# Altium PCB AVALON_hashunit.PcbDoc (part 5 of 5)
Units mm, origin at the board's own origin, x right, y up, seen from the top; angles counter-clockwise.
Board outline 138.43 x 38.1 mm, 4 copper layers (Top Layer, Mid-Layer 1, Mid-Layer 2, Bottom Layer); 220 components, 79 nets, 967 pads, 761 vias.
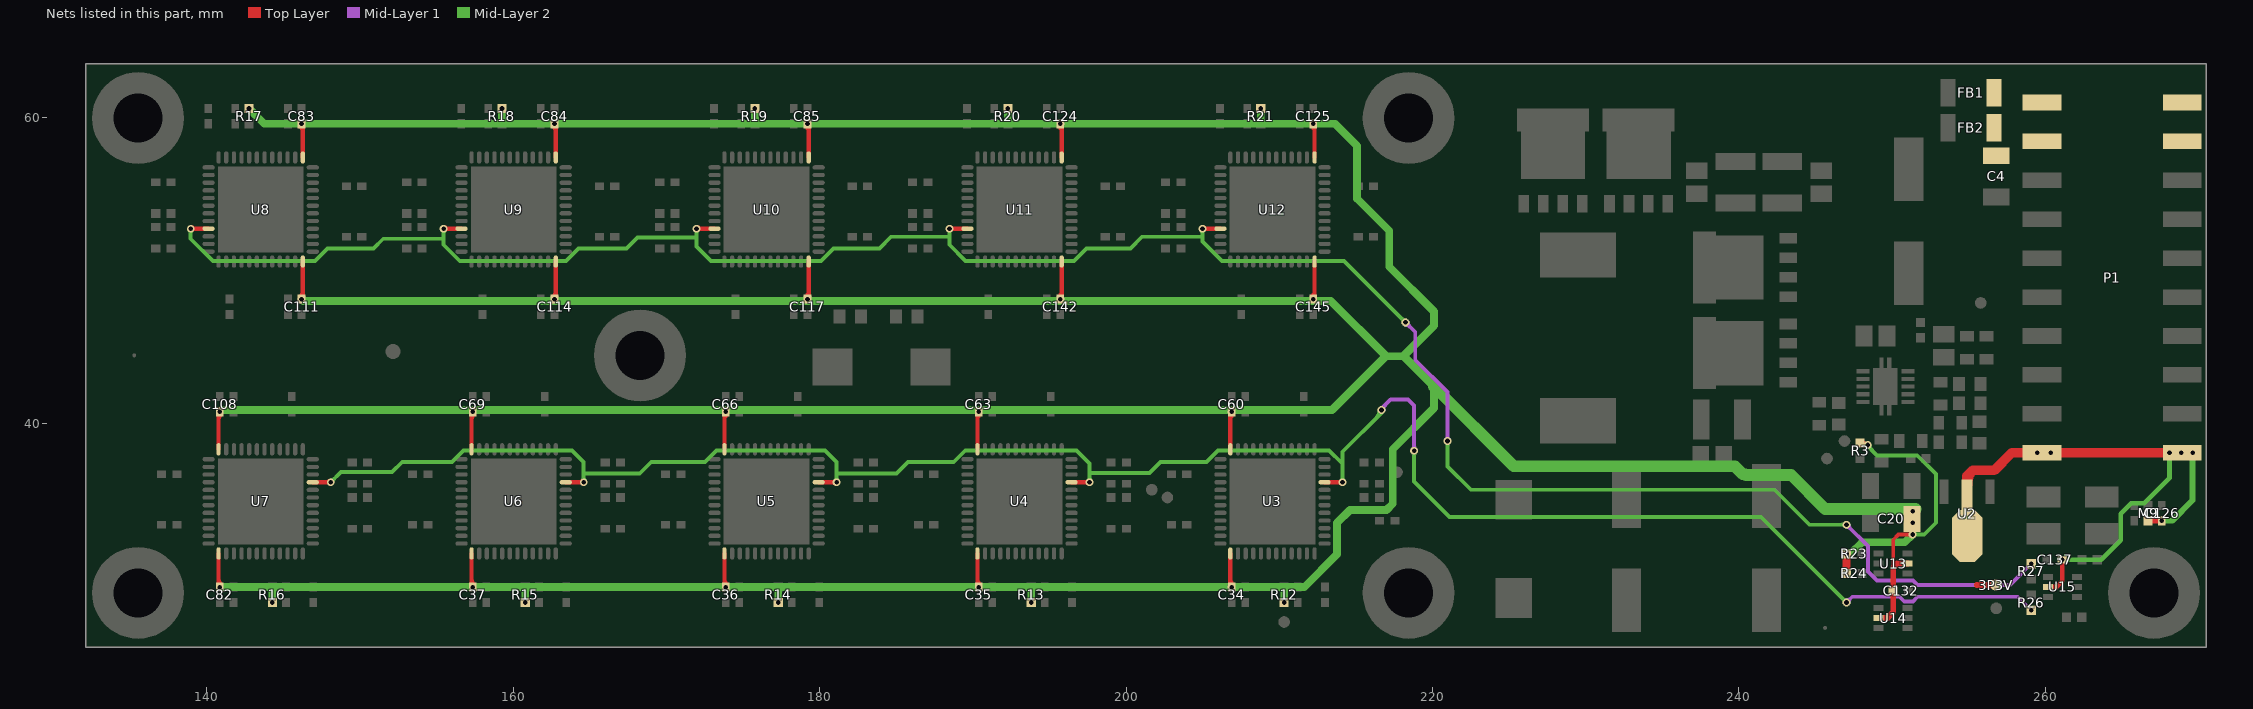
[diagram p7: the nets of this part, all layers, seen from the top]

## Via types
v1: diameter 0.8, hole 0.4, Top Layer to Bottom Layer, tented both sides, 330 vias
v2: diameter 0.508, hole 0.305, Top Layer to Bottom Layer, tented both sides, 258 vias
v3: diameter 0.813, hole 0.457, Top Layer to Bottom Layer, tented both sides, 88 vias
v4: diameter 0.508, hole 0.305, Top Layer to Bottom Layer, tented bottom, 80 vias
v5: diameter 0.6, hole 0.3, Top Layer to Bottom Layer, tented bottom, 5 vias

## Nets (pads, with @x,y where several pads share a name; then routed paths per layer and width w, separated by ;. In a path a pad name is that pad's centre, name@x,y a point inside that pad or via, vN(x,y) a via of type N, cw(c..) or ccw(c..) an arc to the next point about the centre after c; other vN are vias at no path point) (continued)
VCC3V3: 3P3V.1 C20.2 C34.2 C35.2 C36.2 C37.2 C60.2 C63.2 C66.2 C69.2 C82.2 C83.2 C84.2 C85.2 C108.2 C111.2 C114.2 C117.2 C124.2 C125.2 C126.2 C132.1 C137.1 C142.2 C145.2 M9.2 P1.1 P1.2 R3.2 R12.2 R13.2 R14.2 R15.2 R16.2 R17.2 R18.2 R19.2 R20.2 R21.2 R23.2 R24.2 U2.2 U3.24 U3.37 U4.24 U4.37 U5.24 U5.37 U6.24 U6.37 U7.24 U7.37 U8.24 U8.37 U9.24 U9.37 U10.24 U10.37 U11.24 U11.37 U12.24 U12.37 U13.5 U14.5 U15.5 | length 516.6
  Top Layer w0.203: R3.2@248.065,38.611 cw(c248.293,38.445) v2@248.293,38.727 ; R3.2@248.065,38.843 ccw(c248.293,39.009) v2@248.293,38.727 ; v2@248.285,38.523 ccw(c247.904,38.268) R3.2@247.904,38.727 v2@248.293,38.727 ; v2(248.412,38.608) v2@248.293,38.727
  Top Layer w0.254: 250.071,30.615 250.071,32.418 250.419,32.766 v2(251.333,32.766) ; v2@251.243,32.676 ccw(c251.026,32.459) 251.026,32.766 ccw(c251.026,33.073) v2@251.243,32.856
  Top Layer w0.279: 140.76,29.805 ccw(c141.319,29.805) C82.2@140.924,29.41 ; 140.76,29.846 ccw(c141.31,29.846) C82.2@140.921,29.457 ; U7.37@140.76,31.4 140.76,29.412 v2(140.843,29.329) ; U7.24@140.76,38.45 C108.2@140.76,40.692 ; 140.76,40.258 cw(c141.31,40.258) C108.2@140.921,40.647 ; 140.76,40.299 cw(c141.319,40.299) C108.2@140.924,40.694 ; C82.2@140.773,29.42 ccw(c140.671,29.553) 140.817,29.638 ; C108.2@140.773,40.684 cw(c140.671,40.551) 140.817,40.466 ; C111.2@146.096,48.206 ccw(c145.701,48.601) 146.26,48.601 ; C83.2@146.096,59.49 cw(c145.701,59.095) 146.26,59.095 ; C111.2@146.099,48.253 ccw(c145.71,48.642) 146.26,48.642 ; C83.2@146.099,59.443 cw(c145.71,59.054) 146.26,59.054 ; v2(146.177,59.571) 146.26,59.488 U8.37@146.26,57.5 ; 146.203,48.434 ccw(c146.349,48.349) C111.2@146.247,48.216 ; 146.203,59.262 cw(c146.349,59.347) C83.2@146.247,59.48 ; C111.2@146.26,48.208 U8.24@146.26,50.45 ; 157.27,29.805 ccw(c157.829,29.805) C37.2@157.434,29.41 ; 157.27,29.846 ccw(c157.82,29.846) C37.2@157.431,29.457 ; U6.37@157.27,31.4 157.27,29.412 v2(157.353,29.329) ; U6.24@157.27,38.45 C69.2@157.27,40.692 ; 157.27,40.258 cw(c157.82,40.258) C69.2@157.431,40.647 ; 157.27,40.299 cw(c157.829,40.299) C69.2@157.434,40.694 ; C37.2@157.283,29.42 ccw(c157.181,29.553) 157.327,29.638 ; C69.2@157.283,40.684 cw(c157.181,40.551) 157.327,40.466 ; C114.2@162.606,48.206 ccw(c162.211,48.601) 162.77,48.601 ; C84.2@162.606,59.49 cw(c162.211,59.095) 162.77,59.095 ; C114.2@162.609,48.253 ccw(c162.22,48.642) 162.77,48.642 ; C84.2@162.609,59.443 cw(c162.22,59.054) 162.77,59.054 ; v2(162.687,59.571) 162.77,59.488 U9.37@162.77,57.5 ; 162.713,48.434 ccw(c162.859,48.349) C114.2@162.757,48.216 ; 162.713,59.262 cw(c162.859,59.347) C84.2@162.757,59.48 ; C114.2@162.77,48.208 U9.24@162.77,50.45 ; 173.78,29.805 ccw(c174.339,29.805) C36.2@173.944,29.41 ; 173.78,29.846 ccw(c174.33,29.846) C36.2@173.941,29.457 ; U5.37@173.78,31.4 173.78,29.412 v2(173.863,29.329) ; U5.24@173.78,38.45 C66.2@173.78,40.692 ; 173.78,40.258 cw(c174.33,40.258) C66.2@173.941,40.647 ; 173.78,40.299 cw(c174.339,40.299) C66.2@173.944,40.694 ; C36.2@173.793,29.42 ccw(c173.691,29.553) 173.837,29.638 ; C66.2@173.793,40.684 cw(c173.691,40.551) 173.837,40.466 ; C117.2@179.116,48.206 ccw(c178.721,48.601) 179.28,48.601 ; C85.2@179.116,59.49 cw(c178.721,59.095) 179.28,59.095 ; C117.2@179.119,48.253 ccw(c178.73,48.642) 179.28,48.642 ; C85.2@179.119,59.443 cw(c178.73,59.054) 179.28,59.054 ; v2(179.197,59.571) 179.28,59.488 U10.37@179.28,57.5 ; 179.223,48.434 ccw(c179.369,48.349) C117.2@179.267,48.216 ; 179.223,59.262 cw(c179.369,59.347) C85.2@179.267,59.48 ; C117.2@179.28,48.208 U10.24@179.28,50.45 ; 190.29,29.805 ccw(c190.849,29.805) C35.2@190.454,29.41 ; 190.29,29.85 ccw(c190.84,29.85) C35.2@190.451,29.461 ; U4.37@190.29,31.4 190.29,29.412 v2(190.373,29.329) ; U4.24@190.29,38.45 C63.2@190.29,40.692 ; 190.29,40.258 cw(c190.84,40.258) C63.2@190.451,40.647 ; 190.29,40.299 cw(c190.849,40.299) C63.2@190.454,40.694 ; C35.2@190.303,29.42 ccw(c190.199,29.555) 190.347,29.641 ; C63.2@190.303,40.684 cw(c190.201,40.551) 190.347,40.466 ; C142.2@195.626,48.206 ccw(c195.231,48.601) 195.79,48.601 ; C124.2@195.626,59.49 cw(c195.231,59.095) 195.79,59.095 ; C142.2@195.629,48.253 ccw(c195.24,48.642) 195.79,48.642 ; C124.2@195.629,59.443 cw(c195.24,59.054) 195.79,59.054 ; v2(195.707,59.571) 195.79,59.488 U11.37@195.79,57.5 ; 195.733,48.434 ccw(c195.879,48.349) C142.2@195.777,48.216 ; 195.733,59.262 cw(c195.879,59.347) C124.2@195.777,59.48 ; C142.2@195.79,48.208 U11.24@195.79,50.45 ; 206.8,29.805 ccw(c207.359,29.805) C34.2@206.964,29.41 ; 206.8,29.846 ccw(c207.35,29.846) C34.2@206.961,29.457 ; U3.37@206.8,31.4 206.8,29.412 v2(206.883,29.329) ; U3.24@206.8,38.45 C60.2@206.8,40.692 ; 206.8,40.258 cw(c207.35,40.258) C60.2@206.961,40.647 ; 206.8,40.299 cw(c207.359,40.299) C60.2@206.964,40.694 ; C34.2@206.813,29.42 ccw(c206.711,29.553) 206.857,29.638 ; C60.2@206.813,40.684 cw(c206.711,40.551) 206.857,40.466 ; C145.2@212.136,48.206 ccw(c211.741,48.601) 212.3,48.601 ; C125.2@212.136,59.49 cw(c211.741,59.095) 212.3,59.095 ; C145.2@212.139,48.253 ccw(c211.75,48.642) 212.3,48.642 ; C125.2@212.139,59.443 cw(c211.75,59.054) 212.3,59.054 ; v2(212.217,59.571) 212.3,59.488 U12.37@212.3,57.5 ; 212.243,48.434 ccw(c212.389,48.349) C145.2@212.287,48.216 ; 212.243,59.262 cw(c212.389,59.347) C125.2@212.287,59.48 ; C145.2@212.3,48.208 U12.24@212.3,50.45
  Top Layer w0.305: U15.5@260.162,29.337 260.731,29.337 261.104,29.71 v2(261.104,31.115)
  Top Layer w0.381: U14.5@249.113,27.305 249.682,27.305 250.071,27.694 C132.1@250.071,29.083 250.071,30.615 250.317,30.861 U13.5@251.013,30.861 ; 255.524,29.464 3P3V.1@256.794,29.464 ; 3P3V.1@256.659,29.329 ccw(c256.334,29.004) 256.334,29.464 ccw(c256.334,29.924) 3P3V.1@256.659,29.599 ; M9.2@266.7,33.663 v2(267.589,33.663)
  Top Layer w0.508: R24.2@247.023,30.226 v2(247.023,31.496)
  Top Layer w0.635: U2.2@254.889,35.355 254.889,36.576 255.27,36.957 ; U2.2@254.921,36.008 cw(c256.121,36.106) 255.27,36.957 ; v2(268.097,38.1) v2(260.35,38.1) v2(259.46,38.1) 257.81,38.1 256.667,36.957 255.27,36.957
  Mid-Layer 2 w0.254: v2(248.412,38.608) 248.412,38.527 249.017,37.922 251.638,37.922 252.857,36.703 252.857,33.528 252.095,32.766 v2(251.333,32.766) ; v2@248.539,38.608 ccw(c249.041,38.608) 248.686,38.253 ; v2@251.423,32.676 cw(c251.64,32.459) 251.64,32.766 cw(c251.64,33.073) v2@251.423,32.856
  Mid-Layer 2 w0.305: v2(261.104,31.115) 263.652,31.115 264.922,32.385 264.922,34.103 265.617,34.798 266.446,34.798 268.097,36.449 v2(268.097,38.1) v2(268.86,38.1)
  Mid-Layer 2 w0.381: v2(267.589,33.663) 268.276,33.663 269.608,34.996 269.608,38.087 v2(269.621,38.1) v2(268.86,38.1)
  Mid-Layer 2 w0.508: v2(140.843,29.329) 144.272,29.329 ; 141.124,40.891 ccw(c141.124,40.494) v2(140.843,40.775) 140.959,40.891 213.436,40.891 216.957,44.412 ; v2(142.748,60.571) 143.748,59.571 159.258,59.571 ; v2(144.272,28.329) 144.272,29.329 ; 146.458,48.009 cw(c146.458,48.406) v2(146.177,48.125) 146.293,48.009 213.36,48.009 216.957,44.412 ; 157.072,40.891 cw(c157.072,40.494) v2(157.353,40.775) cw(c157.634,40.494) 157.634,40.891 ; v2(159.258,60.571) 159.258,59.571 ; v2(160.782,28.329) 160.782,29.329 ; 162.406,48.009 ccw(c162.406,48.406) v2(162.687,48.125) ccw(c162.968,48.406) 162.968,48.009 ; 173.582,40.891 cw(c173.582,40.494) v2(173.863,40.775) cw(c174.144,40.494) 174.144,40.891 ; 175.768,59.825 v2(175.768,60.571) ; v2(177.292,28.329) 177.292,29.329 ; 178.916,48.009 ccw(c178.916,48.406) v2(179.197,48.125) ccw(c179.478,48.406) 179.478,48.009 ; 190.092,40.891 cw(c190.092,40.494) v2(190.373,40.775) cw(c190.654,40.494) 190.654,40.891 ; 192.278,59.825 v2(192.278,60.571) ; v2(193.802,28.329) 193.802,29.202 ; 195.426,48.009 ccw(c195.426,48.406) v2(195.707,48.125) ccw(c195.988,48.406) 195.988,48.009 ; 206.602,40.891 cw(c206.602,40.494) v2(206.883,40.775) cw(c207.164,40.494) 207.164,40.891 ; 208.788,59.698 v2(208.788,60.571) ; v2(210.312,28.329) 210.312,29.329 ; 211.936,48.009 ccw(c211.936,48.406) v2(212.217,48.125) ccw(c212.498,48.406) 212.498,48.009 ; 247.454,31.675 cw(c247.023,32.106) v2(247.023,31.496) 247.275,31.496 248.037,32.258 250.825,32.258 v2(251.333,32.766) ; 144.272,29.329 v2(157.353,29.329) 160.782,29.329 ; 159.258,59.571 v2(212.217,59.571) 213.631,59.571 215.076,58.126 215.076,54.672 217.17,52.578 217.17,50.241 220.091,47.32 220.091,46.399 218.104,44.412 ; 160.782,29.329 v2(173.863,29.329) 177.292,29.329 ; 177.292,29.329 v2(190.373,29.329) 210.312,29.329 ; 210.312,29.329 211.625,29.329 213.766,31.471 213.766,33.52 214.612,34.366 216.992,34.366 217.399,34.773 217.399,38.329 220.091,41.021 220.091,42.424 218.104,44.412 ; 216.957,44.412 216.97,44.399 218.091,44.399 218.104,44.412
  Mid-Layer 2 w0.762: 220.091,42.424 225.304,37.211 239.736,37.211 240.244,36.703 240.411,36.703 240.462,36.652 243.398,36.652 245.627,34.423 251.52,34.423 251.333,34.236 v2(251.333,33.528)
  other v2: 251.333,34.29
VCC12V: C4.2 FB1.2 FB2.2 P1.17 P1.18 P1.19 P1.20
XCLK1: R26.1 U3.9 U4.9 U5.9 U6.9 U7.9 | length 144.8
  Top Layer w0.279: U7.9@147.035,36.175 v4(148.082,36.175) ; v4@148.001,36.094 ccw(c147.806,35.899) 147.806,36.175 ccw(c147.806,36.451) v4@148.001,36.256 ; U6.9@163.545,36.175 v4(164.592,36.175) ; v4@164.511,36.094 ccw(c164.316,35.899) 164.316,36.175 ccw(c164.316,36.451) v4@164.511,36.256 ; U5.9@180.055,36.175 v4(181.102,36.175) ; v4@181.021,36.094 ccw(c180.826,35.899) 180.826,36.175 ccw(c180.826,36.451) v4@181.021,36.256 ; U4.9@196.565,36.175 v4(197.612,36.175) ; v4@197.531,36.094 ccw(c197.336,35.899) 197.336,36.175 ccw(c197.336,36.451) v4@197.531,36.256 ; U3.9@213.075,36.175 v4(214.122,36.175) ; v4@214.041,36.094 ccw(c213.846,35.899) 213.846,36.175 ccw(c213.846,36.451) v4@214.041,36.256
  Mid-Layer 1 w0.254: v2@216.662,40.975 217.267,41.58 218.394,41.58 218.796,41.178 v2(218.796,38.227) ; v2@216.789,40.894 cw(c217.291,40.894) 216.936,41.249 ; v2@218.706,38.317 ccw(c218.489,38.534) 218.796,38.534 ccw(c219.102,38.534) v2@218.885,38.317 ; v4(247.015,28.321) 247.396,28.702 250.482,28.702 250.787,28.397 251.355,28.397 251.66,28.702 258.199,28.702 v2(259.08,27.821) ; v4@247.015,28.448 ccw(c247.015,28.755) 247.232,28.538 ccw(c247.449,28.321) v4@247.142,28.321 ; v2@258.953,27.821 ccw(c258.646,27.821) 258.863,28.038 ccw(c259.08,28.255) v2@259.08,27.948
  Mid-Layer 2 w0.254: v4(148.082,36.175) 148.75,36.843 148.763,36.83 152.08,36.83 152.75,37.5 155.998,37.5 156.75,38.252 163.84,38.252 164.592,37.5 164.592,36.75 ; v4@148.082,36.302 ccw(c148.082,36.609) 148.299,36.392 ccw(c148.516,36.175) v4@148.209,36.175 ; v4@164.502,36.265 ccw(c164.285,36.482) 164.592,36.482 ccw(c164.899,36.482) v4@164.682,36.265 ; v4(164.592,36.175) 164.592,36.75 ; v4@181.012,36.265 ccw(c180.795,36.482) 181.102,36.482 ccw(c181.409,36.482) v4@181.192,36.265 ; v4(181.102,36.175) 181.102,36.75 ; v4@197.522,36.265 ccw(c197.305,36.482) 197.612,36.482 ccw(c197.919,36.482) v4@197.702,36.265 ; v4(197.612,36.175) 197.612,36.783 ; v4@214.032,36.265 ccw(c213.815,36.482) 214.122,36.482 ccw(c214.429,36.482) v4@214.212,36.265 ; v4(214.122,36.175) 214.122,37.38 ; 216.31,40.352 ccw(c215.768,40.894) v2@216.535,40.894 ; v2(216.662,40.894) 216.662,40.704 214.122,38.164 214.122,37.38 ; v2@218.706,38.137 cw(c218.489,37.92) 218.796,37.92 cw(c219.102,37.92) v2@218.885,38.137 ; v2(218.796,38.227) 218.796,36.22 221.107,33.909 241.427,33.909 v4(247.015,28.321) ; v4@246.888,28.321 ccw(c246.581,28.321) 246.798,28.538 ccw(c247.015,28.755) v4@247.015,28.448 ; 164.592,36.75 168.25,36.75 169,37.5 172.498,37.5 173.25,38.252 180.35,38.252 181.102,37.5 181.102,36.75 ; 181.102,36.75 185,36.75 185.75,37.5 188.748,37.5 189.5,38.252 196.75,38.252 197.612,37.39 197.612,36.783 ; 197.612,36.783 201.533,36.783 202.25,37.5 205.248,37.5 206,38.252 213.25,38.252 214.122,37.38
XCLK2: R27.1 U8.9 U9.9 U10.9 U11.9 U12.9 | length 157.2
  Top Layer w0.279: v4(138.938,52.725) U8.9@139.985,52.725 ; v4@139.019,52.644 cw(c139.214,52.449) 139.214,52.725 cw(c139.214,53.001) v4@139.019,52.806 ; v4(155.448,52.725) U9.9@156.495,52.725 ; v4@155.529,52.644 cw(c155.724,52.449) 155.724,52.725 cw(c155.724,53.001) v4@155.529,52.806 ; v4(171.958,52.725) U10.9@173.005,52.725 ; v4@172.039,52.644 cw(c172.234,52.449) 172.234,52.725 cw(c172.234,53.001) v4@172.039,52.806 ; v4(188.468,52.725) U11.9@189.515,52.725 ; v4@188.549,52.644 cw(c188.744,52.449) 188.744,52.725 cw(c188.744,53.001) v4@188.549,52.806 ; v4(204.978,52.725) U12.9@206.025,52.725 ; v4@205.059,52.644 cw(c205.254,52.449) 205.254,52.725 cw(c205.254,53.001) v4@205.059,52.806
  Mid-Layer 1 w0.254: v2@218.237,46.482 cw(c218.237,46.175) 218.454,46.392 cw(c218.67,46.609) v2@218.364,46.609 ; v2(218.237,46.609) 218.872,45.974 218.872,44.166 220.98,42.058 v2(220.98,38.862) ; v2@220.89,38.952 ccw(c220.673,39.169) 220.98,39.169 ccw(c221.287,39.169) v2@221.07,38.952 ; v4@247.015,33.274 cw(c247.015,32.967) 247.232,33.184 cw(c247.449,33.401) v4@247.142,33.401 ; v4(247.015,33.401) 248.412,32.004 248.412,30.353 248.996,29.769 251.355,29.769 251.66,29.464 257.691,29.464 v2(259.08,30.853) ; v2@258.953,30.853 cw(c258.646,30.853) 258.863,30.636 cw(c259.08,30.419) v2@259.08,30.726
  Mid-Layer 2 w0.254: v4@138.848,52.635 cw(c138.631,52.418) 138.938,52.418 cw(c139.245,52.418) v4@139.028,52.635 ; v4(138.938,52.725) 138.938,52.07 140.386,50.622 147.066,50.622 147.879,51.435 150.876,51.435 151.511,52.07 155.448,52.07 ; v4@155.358,52.635 cw(c155.141,52.418) 155.448,52.418 cw(c155.755,52.418) v4@155.538,52.635 ; v4(155.448,52.725) 155.448,52.07 ; v4@171.868,52.635 cw(c171.651,52.418) 171.958,52.418 cw(c172.265,52.418) v4@172.048,52.635 ; v4(171.958,52.725) 171.958,52.144 ; v4@188.378,52.635 cw(c188.161,52.418) 188.468,52.418 cw(c188.775,52.418) v4@188.558,52.635 ; v4(188.468,52.725) 188.468,52.199 ; v4@204.888,52.635 cw(c204.671,52.418) 204.978,52.418 cw(c205.285,52.418) v4@205.068,52.635 ; v4(204.978,52.725) 204.978,52.197 ; v2@218.11,46.609 ccw(c217.803,46.609) 218.02,46.826 ccw(c218.237,47.043) v2@218.237,46.736 ; v2(218.237,46.609) 214.224,50.622 206.25,50.622 204.978,51.894 204.978,52.197 ; v2@220.89,38.772 cw(c220.673,38.555) 220.98,38.555 cw(c221.287,38.555) v2@221.07,38.772 ; v2(220.98,38.862) 220.98,37.211 222.504,35.687 242.316,35.687 244.602,33.401 v4(247.015,33.401) ; v4@246.925,33.311 ccw(c246.708,33.094) 246.708,33.401 ccw(c246.708,33.708) v4@246.925,33.491 ; 155.448,52.07 155.448,51.674 156.499,50.622 163.449,50.622 164.262,51.435 167.386,51.435 168.095,52.144 171.958,52.144 ; 171.958,52.144 171.958,51.562 172.898,50.622 180.086,50.622 180.899,51.435 183.896,51.435 184.658,52.197 188.466,52.197 188.468,52.199 ; 188.468,52.199 188.468,51.674 189.519,50.622 196.596,50.622 197.409,51.435 200.279,51.435 201.041,52.197 204.978,52.197
pads on no net: MASK1.0 P1.14 TPM1.0 TPM2.0 U4.10 U4.29 U4.30 U4.44 U5.10 U5.29 U5.30 U5.44 U6.10 U6.29 U6.30 U6.44 U7.10 U7.29 U7.30 U7.44 U8.10 U8.29 U8.30 U8.44 U9.10 U9.29 U9.30 U9.44 U10.10 U10.29 U10.30 U10.44 U11.10 U11.29 U11.30 U11.44 U12.10 U12.29 U12.30 U12.44

## Polygon pours and split planes (outlines as drawn)
GND on Bottom Layer "BG1" (solid, pour order 23): 132.08,63.5 132.08,25.4 270.51,25.4 270.51,63.5 132.08,63.5
GND on Mid-Layer 1 "M1G1" (solid, remove dead copper, pour order 21): 132.08,63.5 132.08,25.4 270.51,25.4 270.51,63.5 132.08,63.5
VCC1V2 on Top Layer "T1V2_2" (solid, pour order 20): 221.869,62.865 222.631,62.865 223.012,62.484 223.012,46.736 223.774,45.974 225.298,44.45 226.187,44.45 234.95,44.45 235.712,43.688 235.712,42.672 236.601,41.783 237.871,41.783 238.125,41.529 238.125,36.703 238.379,36.449 238.506,36.322 239.776,36.322 240.03,36.322 240.411,36.703 240.538,36.83 240.538,37.338 240.538,37.465 240.919,37.846 244.094,37.846 244.475,37.465 244.475,32.512 244.094,32.131 243.967,32.004 222.885,32.004 222.504,31.623 222.504,27.432 222.504,26.289 222.25,26.035 221.869,26.035 221.869,62.865
NetC10_1 on Top Layer "NetC10_1" (solid, pour order 18): 225.171,55.499 224.79,55.118 223.774,54.102 223.774,49.403 223.774,46.355 224.155,45.974 225.425,44.704 235.077,44.704 235.966,43.815 235.966,42.799 236.728,42.037 238.633,42.037 241.427,42.037 241.808,42.418 241.808,52.578 241.554,52.832 236.347,52.832 235.839,53.34 235.839,55.245 235.458,55.626 225.298,55.626 225.171,55.499
GND on Top Layer "TG3" (solid, pour order 17): 236.474,55.626 236.093,55.245 236.093,54.991 236.093,53.467 236.22,53.34 236.474,53.086 238.252,53.086 241.808,53.086 241.935,52.959 242.062,52.832 242.062,42.418 242.062,42.037 241.808,41.783 239.014,41.783 238.633,41.783 238.379,41.529 238.379,37.211 238.379,36.83 238.633,36.576 239.903,36.576 240.157,36.83 240.284,36.957 240.284,37.592 240.792,38.1 243.205,38.1 244.094,38.1 244.475,38.481 244.475,40.386 244.475,42.291 244.729,42.545 245.11,42.926 245.11,43.942 245.364,44.196 246.507,44.196 246.761,44.196 247.142,44.577 247.142,46.609 247.777,47.244 249.936,47.244 252.476,47.244 252.857,47.625 252.857,53.213 252.222,53.848 251.968,54.102 247.142,54.102 246.38,54.864 246.38,55.372 246.126,55.626 245.999,55.626 236.474,55.626
NetC5_1 on Top Layer "NetC5_1" (solid, pour order 16): 225.171,55.88 224.79,56.261 224.79,62.484 225.171,62.865 254,62.865 254.381,62.484 254.381,54.737 254,54.356 247.269,54.356 246.888,54.737 246.634,54.991 246.634,55.499 246.253,55.88 246.126,55.88 225.171,55.88
VCC1V2 on Top Layer "T1V2" (solid, pour order 19): 133.071,62.865 222.25,62.865 222.25,26.035 133.071,26.035 133.071,62.865
GND on Top Layer "TG1" (solid, pour order 22): 248.768,43.586 248.768,44.526 249.123,44.882 249.123,46.558 251.714,46.558 251.714,44.78 250.825,43.891 250.469,43.891 250.342,43.764 250.342,43.586 248.768,43.586
GND on Top Layer "TG2" (solid, pour order 24): 248.996,38.43 248.996,40.259 248.768,40.488 248.768,41.3 250.342,41.3 250.342,40.996 250.723,40.615 250.774,40.564 250.774,38.43 248.996,38.43
VCC3V3 on Top Layer "T3V1" (solid, pour order 25): 257.048,33.909 257.048,32.147 256.54,31.795 255.778,31.267 255.778,30.298 255.778,28.448 252.095,28.448 252.095,32.588 251.333,33.116 250.825,33.469 250.825,33.909 257.048,33.909
GND on Mid-Layer 2 "MG2" (solid, pour order 29): 248.666,41.402 248.666,42.926 247.65,43.942 246.126,45.466 244.856,45.466 244.856,47.498 249.428,47.498 250.19,46.736 250.19,41.402 248.666,41.402
NetC5_1 on Mid-Layer 2 "M2_NetC5_1" (solid, pour order 26): 225.806,56.007 245.237,56.007 245.11,56.134 245.11,62.611 225.806,62.611 225.806,56.007
GND on Mid-Layer 2 "M2_G1" (solid, pour order 28): 246.888,45.085 245.11,45.085 244.729,45.466 244.475,45.72 244.475,51.435 244.475,52.578 244.094,52.959 242.189,52.959 240.284,52.959 239.776,53.467 239.014,54.229 239.014,55.118 246.507,55.118 246.888,54.737 246.888,45.085
no net on Mid-Layer 2 "NCC" (hatched 90Degree grid 0.914 track 0.305, pour order 30): 132.08,63.5 132.08,25.4 270.51,25.4 270.51,63.5 132.08,63.5

## Keep-outs
Keep-Out Layer:
  the board outline again, w0.254

## Other copper
Top Layer:
  rectangle net VCC3V3: 250.698,32.385 251.968,34.671
  rectangle net AVCC1V2: 250.698,35.052 253.873,36.83
  rectangle net GND: 255.905,34.544 257.048,36.449
  rectangle net VCC3V3: 258.191,37.465 270.002,39.116
  rectangle net GND: 262.255,39.37 269.875,54.61
  rectangle net GND: 222.758,26.035 244.475,31.369
  rectangle net VCC12V: 255.905,57.15 269.875,62.84
  rectangle net GND: 255.905,54.864 269.875,56.4
  pour cut-out: 151.384,45.466 152.908,45.466 152.908,43.942 151.384,43.942
  pour cut-out: 213.741,30.734 205.359,30.734 205.359,39.116 213.741,39.116
  pour cut-out: 197.231,30.734 188.849,30.734 188.849,39.116 197.231,39.116
  pour cut-out: 180.721,30.734 172.339,30.734 172.339,39.116 180.721,39.116
  pour cut-out: 164.211,30.734 155.829,30.734 155.829,39.116 164.211,39.116
  pour cut-out: 147.701,30.734 139.319,30.734 139.319,39.116 147.701,39.116
  pour cut-out: 139.319,58.166 147.701,58.166 147.701,49.784 139.319,49.784
  pour cut-out: 155.829,58.166 164.211,58.166 164.211,49.784 155.829,49.784
  pour cut-out: 172.339,58.166 180.721,58.166 180.721,49.784 172.339,49.784
  pour cut-out: 188.849,58.166 197.231,58.166 197.231,49.784 188.849,49.784
  pour cut-out: 205.359,58.166 213.741,58.166 213.741,49.784 205.359,49.784
  pour cut-out: 132.08,42.164 134.62,42.164 134.62,35.56 132.08,35.56
  text "1" at 132.588,41.529 h1.52 r270
Mid-Layer 1:
  pour cut-out: 132.08,42.164 134.62,42.164 134.62,35.56 132.08,35.56
  pour cut-out: 225.298,52.07 ccw(c225.298,50.546) 223.774,50.546 223.774,46.228 ccw(c225.298,46.228) 225.298,44.704 234.881,44.704 ccw(c234.881,45.789) 235.966,45.789 235.966,50.8 ccw(c234.696,50.8) 234.696,52.07
  text "2" at 132.588,40.513 h1.52 r270
Mid-Layer 2:
  rectangle net GND: 206.756,32.131 212.344,37.719
  rectangle net GND: 190.246,32.131 195.834,37.719
  rectangle net GND: 173.736,32.131 179.324,37.719
  rectangle net GND: 157.226,32.131 162.814,37.719
  rectangle net GND: 140.716,32.131 146.304,37.719
  region net GND: 146.304,56.769 140.716,56.769 140.716,51.181 146.304,51.181
  region net GND: 162.814,56.769 157.226,56.769 157.226,51.181 162.814,51.181
  region net GND: 179.324,56.769 173.736,56.769 173.736,51.181 179.324,51.181
  region net GND: 195.834,56.769 190.246,56.769 190.246,51.181 195.834,51.181
  region net GND: 212.344,56.769 206.756,56.769 206.756,51.181 212.344,51.181
  pour cut-out: 132.08,42.164 134.62,42.164 134.62,35.56 132.08,35.56
  text "3" at 132.588,38.862 h1.52 r270
Bottom Layer:
  pour cut-out: 132.08,42.164 134.62,42.164 134.62,35.56 132.08,35.56
  text "4" at 132.588,37.084 h1.52 r270

## Silkscreen, mask and mechanical layers (free items; w line width, h text height)
Top Overlay:
  lines w0.254: 222.25,25.4 222.25,63.5
  text "Avalon Project" at 225.552,61.341 h1.65
  text "HU V1.3" at 246.888,59.436 h0.89
  text "+" at 243.332,37.084 h1.02
  text "+" at 222.504,36.068 h1.02
  text "Note: Please use resin via filling process" at 209.601,19.025 h1.52
Top Paste:
  lines w0.762: 237.236,58.547 243.459,58.547 ; 237.236,59.69 241.935,59.69 243.459,59.69 ; 244.754,45.085 245.618,45.085 245.618,52.451 ccw(c244.856,52.451) 244.856,53.213
Top Solder:
  lines w0.762: 237.236,58.547 243.459,58.547 ; 237.236,59.69 241.935,59.69 243.459,59.69 ; 244.754,45.085 245.618,45.085 245.618,52.451 ccw(c244.856,52.451) 244.856,53.213
Bottom Solder:
  region: 147.066,38.481 139.954,38.481 139.954,31.369 147.066,31.369
  region: 163.576,38.481 156.464,38.481 156.464,31.369 163.576,31.369
  region: 180.086,38.481 172.974,38.481 172.974,31.369 180.086,31.369
  region: 196.596,38.481 189.484,38.481 189.484,31.369 196.596,31.369
  region: 213.106,38.481 205.994,38.481 205.994,31.369 213.106,31.369
  rectangle: 205.994,50.419 213.106,57.531
  rectangle: 189.484,50.419 196.596,57.531
  rectangle: 172.974,50.419 180.086,57.531
  rectangle: 156.464,50.419 163.576,57.531
  rectangle: 139.954,50.419 147.066,57.531

## Text inside footprints (layer, text, board x,y; h text height)
C5: Top Overlay "+" at 248.234,57.658 h0.89 r180
C11: Top Overlay "+" at 238.963,36.322 h0.89 r180
C12: Top Overlay "+" at 229.819,36.322 h1.02 r180
U1: Top Overlay "1" at 250.266,40.97 h1.27 r270